# Altium PCB Room_Hub 20221215.PcbDoc (part 1 of 3) (continued)
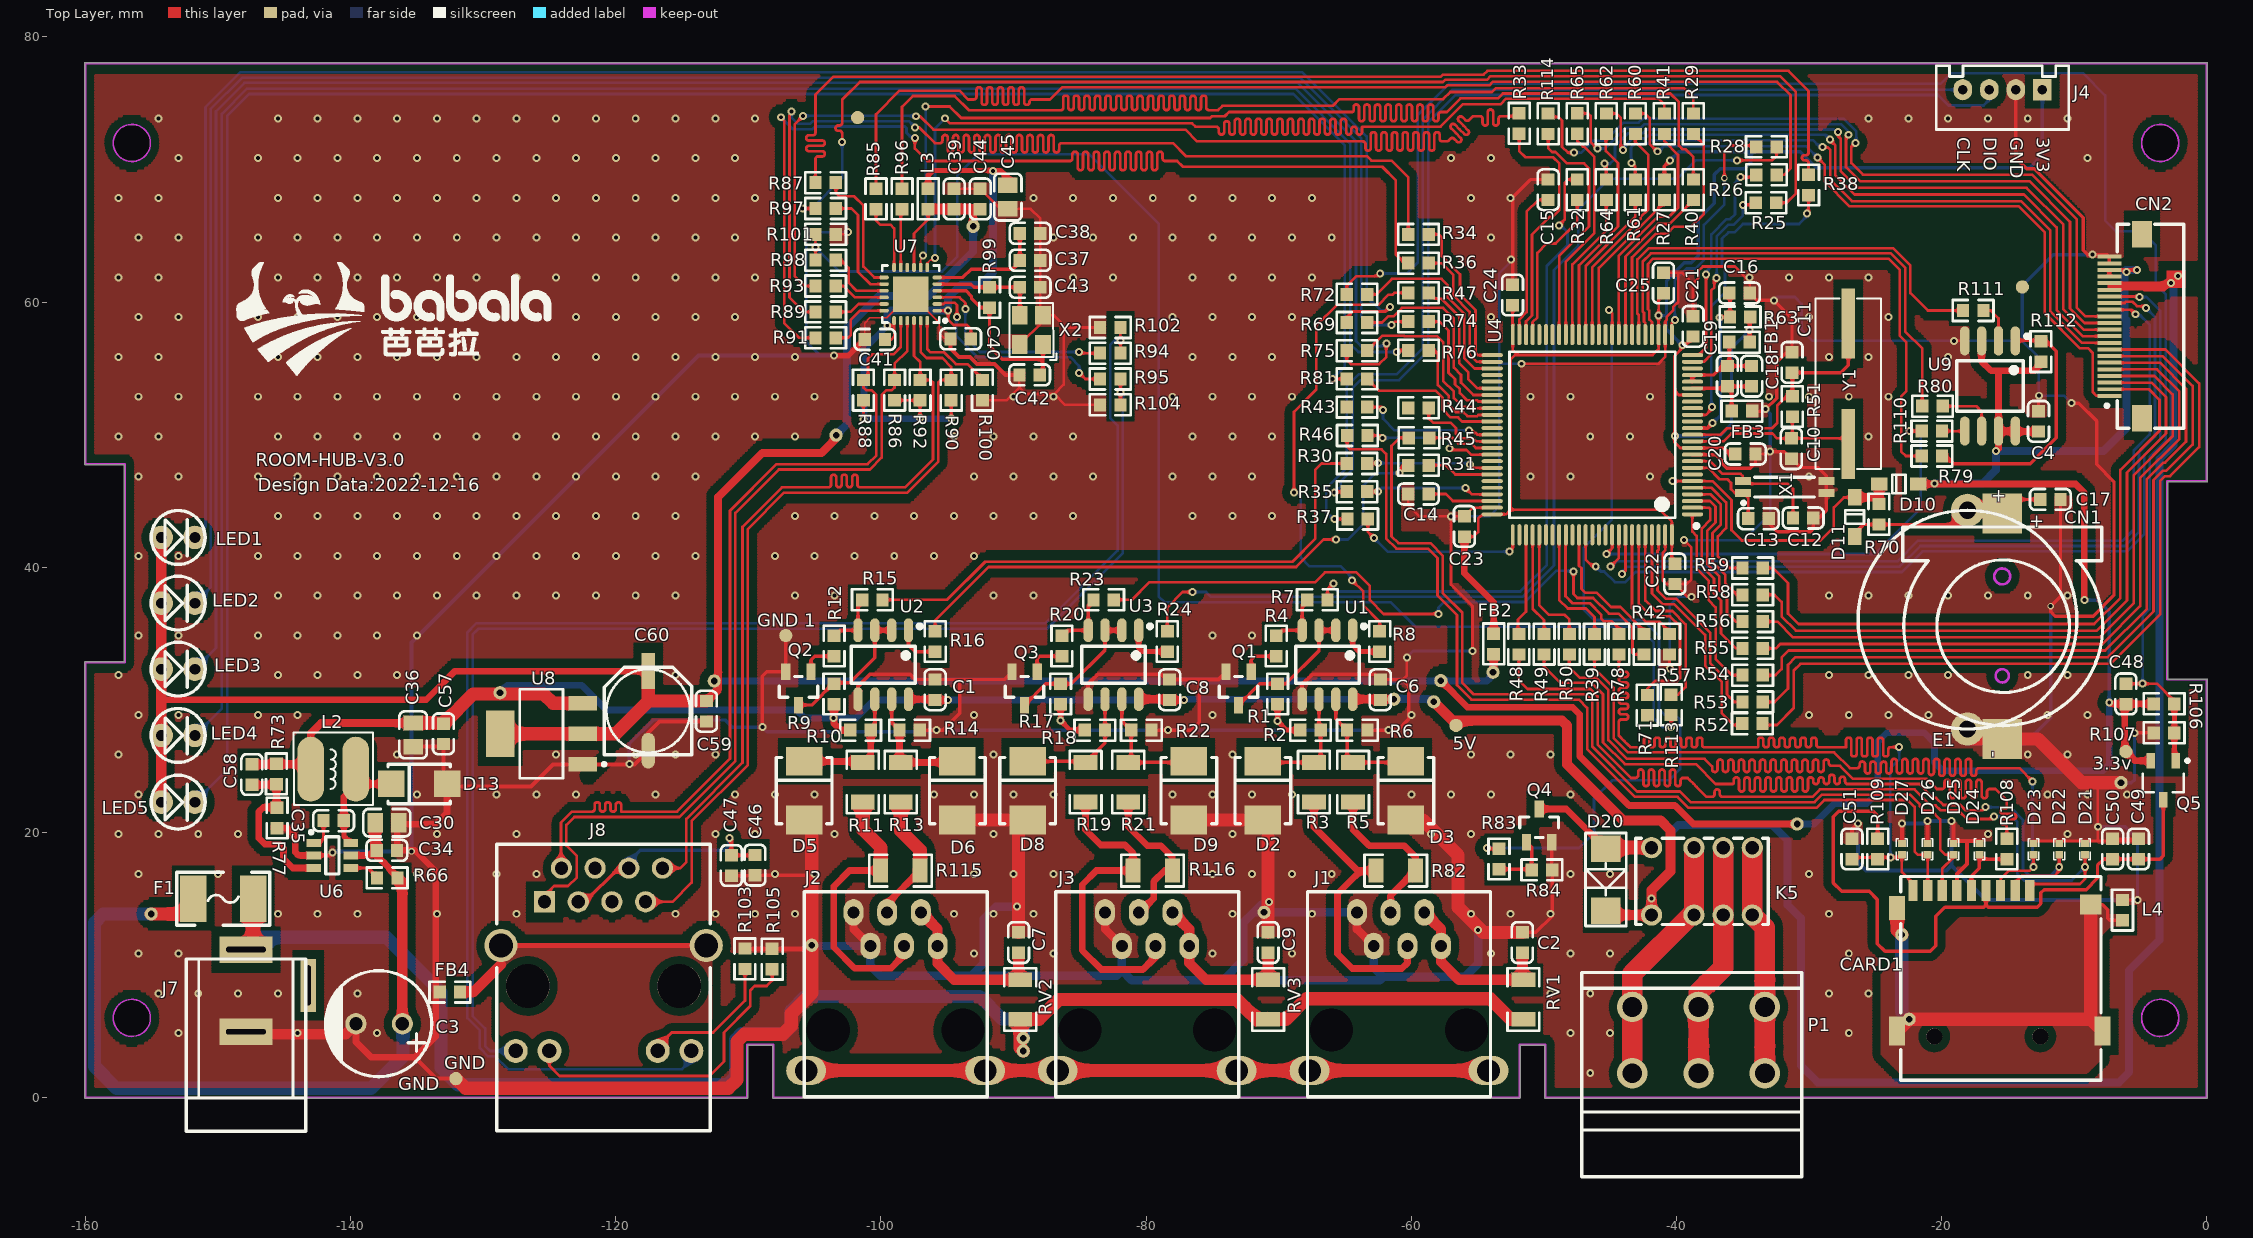
[diagram p0: Top Layer view]
## Footprints (in the part's own frame and the unit in brackets; to place one, negate y for a bottom-side part, rotate by r counter-clockwise, add the part's x,y. Pads: shape width x height; smd on the part's side, far side on the other; paste and mask are expansions set on the pad) (continued)
BATS [mm]
  rect 3x3 smd: 1(0,0) 2(0,-16.995)
  Keep-Out Layer circle w0.203: c0.004,-4.736 r0.6
  Keep-Out Layer circle w0.203: c0.004,-12.236 r0.5
  silkscreen extent -7.49,-16 7.58,-1.01
"BBL LOGO" [mm]
  silkscreen extent -10.86,-4.28 12.9,4.26
CAP8*12 [mm]
  round 1.6 hole 1: 1(0,0) 2(3.5,0)
  silkscreen extent -2.21,-4 5.79,4
"CM D(6.3*7.7)" [mm] "贴片电解电容，直径6.3mm，高7.7mm"
  rect 2.7x1 smd: 1(3,0)
  oval 2.7x1 smd: 2(-3,0)
  silkscreen extent -3.3,-3.3 3.3,3.3, body extent -3.5,-3.3 3.5,3.3, height 7.7
CON4-2.0 [mm]
  rect 1.4x1.6 hole 0.7: 1(0,0)
  oval 1.4x1.6 hole 0.7: 2(2,0) 3(4,0) 4(6,0)
  silkscreen extent -2,-1.8 8,3
CON-KF-22R-3P [mm]
  round 2.3 hole 1.5: 1(0,0) 1(0,5) 2(5,0) 2(5,5) 3(10,0) 3(10,5)
  silkscreen extent -3.8,-7.8 12.8,7.6
DFN1006-2L [mm]
  rect 0.55x0.6 smd mask+0.051: 1(-0.425,0) 2(0.425,0)
  silkscreen extent -0.8,-0.4 0.8,0.4
FPC-SMD_KH-FG0.5-H2.0-22PIN [mm]
  rect 0.3x1.8 smd: 1(5.25,-1.225) 2(4.75,-1.225) 3(4.25,-1.225) 4(3.75,-1.225) 5(3.25,-1.225) 6(2.75,-1.225) 7(2.25,-1.225) 8(1.75,-1.225) 9(1.25,-1.225) 10(0.75,-1.225) 11(0.25,-1.225) 12(-0.25,-1.225) 13(-0.75,-1.225) 14(-1.25,-1.225) 15(-1.75,-1.225) 16(-2.25,-1.225) 17(-2.75,-1.225) 18(-3.25,-1.225) 19(-3.75,-1.225) 20(-4.25,-1.225) 21(-4.75,-1.225) 22(-5.25,-1.225)
  rect 2x1.5 smd: 23(-6.95,1.225) 24(6.95,1.225)
  silkscreen extent -7.7,-1.54 7.7,4.38
"FU 1812" [mm] "贴片保险丝"
  rect 2x3.5 smd: 1(-2.25,0) 2(2.25,0)
  silkscreen extent -3.5,-2 3.5,2, body extent -2.3,-1.61 2.3,1.61, height 0.87
HC-49SMD [mm]
  rect 5.274x1.02 smd: 1(0,0) 2(-9.106,0)
  silkscreen extent -10.98,-2.48 1.87,2.48
L-SPD [mm]
  oval 2x4.9 smd: 1(0,0) 2(3.4,0)
  silkscreen extent -1.29,-2.71 4.69,2.75
LED-3F [mil]
  round 70 hole 31.5: A(0,0) K(100,0)
  silkscreen extent -30,-80 130,80
LQFP-100_L14.0-W14.0-P0.50-LS16.0-BL [mm]
  oval 0.3x1.6 smd: 1(0,0) 2(0.5,0) 3(1,0) 4(1.5,0) 5(2,0) 6(2.5,0) 7(3,0) 8(3.5,0) 9(4,0) 10(4.5,0) 11(5,0) 12(5.5,0) 13(6,0) 14(6.5,0) 15(7,0) 16(7.5,0) 17(8,0) 18(8.5,0) 19(9,0) 20(9.5,0) 21(10,0) 22(10.5,0) 23(11,0) 24(11.5,0) 25(12,0) 51(12,15.1) 52(11.5,15.1) 53(11,15.1) 54(10.5,15.1) 55(10,15.1) 56(9.5,15.1) 57(9,15.1) 58(8.5,15.1) 59(8,15.1) 60(7.5,15.1) 61(7,15.1) 62(6.5,15.1) 63(6,15.1) 64(5.5,15.1) 65(5,15.1) 66(4.5,15.1) 67(4,15.1) 68(3.5,15.1) 69(3,15.1) 70(2.5,15.1) 71(2,15.1) 72(1.5,15.1) 73(1,15.1) 74(0.5,15.1) 75(0,15.1)
  oval 1.6x0.3 smd: 26(13.55,1.55) 27(13.55,2.05) 28(13.55,2.55) 29(13.55,3.05) 30(13.55,3.55) 31(13.55,4.05) 32(13.55,4.55) 33(13.55,5.05) 34(13.55,5.55) 35(13.55,6.05) 36(13.55,6.55) 37(13.55,7.05) 38(13.55,7.55) 39(13.55,8.05) 40(13.55,8.55) 41(13.55,9.05) 42(13.55,9.55) 43(13.55,10.05) 44(13.55,10.55) 45(13.55,11.05) 46(13.55,11.55) 47(13.55,12.05) 48(13.55,12.55) 49(13.55,13.05) 50(13.55,13.55) 76(-1.55,13.55) 77(-1.55,13.05) 78(-1.55,12.55) 79(-1.55,12.05) 80(-1.55,11.55) 81(-1.55,11.05) 82(-1.55,10.55) 83(-1.55,10.05) 84(-1.55,9.55) 85(-1.55,9.05) 86(-1.55,8.55) 87(-1.55,8.05) 88(-1.55,7.55) 89(-1.55,7.05) 90(-1.55,6.55) 91(-1.55,6.05) 92(-1.55,5.55) 93(-1.55,5.05) 94(-1.55,4.55) 95(-1.55,4.05) 96(-1.55,3.55) 97(-1.55,3.05) 98(-1.55,2.55) 99(-1.55,2.05) 100(-1.55,1.55)
  silkscreen extent -1.03,-0.45 12.25,13.8
MC-146_4P [mm]
  rect 1.2x0.6 smd: 1(0,0) 2(6.3,0) 3(6.3,0.9) 4(0,0.9)
  silkscreen extent -0.08,-0.88 5.4,1.2
OSC-SMD_4P-L3.2-W2.5-BL [mm]
  rect 1.4x1.2 smd: 1(-1.1,-0.875) 2(1.1,-0.875) 3(1.1,0.875) 4(-1.1,0.875)
  silkscreen extent -2.29,-1.9 2.03,1.65
POWER [mm]
  rect 2x4 hole 0.4 slot 3 at 90 deg: 1(0,0) 2(-6.2,0)
  rect 4x1.2 hole 0.4 slot 3 at 0 deg: 3(-2.7,-4.7)
  silkscreen extent -13.7,-4.5 -0.72,4.5, body extent -13.7,-4.8 0.35,4.5, height 11.2
QFN-24_4x4x05P [mm]
  rect 2.68x2.68 smd mask+0.051: 0(0,0)
  oval 0.28x0.7 smd mask+0.051: 1(-1.25,-2) 2(-0.75,-2) 3(-0.25,-2) 4(0.25,-2) 5(0.75,-2) 6(1.25,-2) 13(1.25,2) 14(0.75,2) 15(0.25,2) 16(-0.25,2) 17(-0.75,2) 18(-1.25,2)
  oval 0.7x0.28 smd mask+0.051: 7(2,-1.25) 8(2,-0.75) 9(2,-0.25) 10(2,0.25) 11(2,0.75) 12(2,1.25) 19(-2,1.25) 20(-2,0.75) 21(-2,0.25) 22(-2,-0.25) 23(-2,-0.75) 24(-2,-1.25)
  silkscreen extent -2.15,-2.73 2.15,2.15
RELAY-TH_HFDXXX [mm]
  round 1.6 hole 1: 1(0,0) 2(3.2,0) 3(5.4,0) 4(7.6,0) 5(7.6,5.08) 6(5.4,5.08) 7(3.2,5.08) 8(0,5.08)
  silkscreen extent -1.19,-0.71 8.81,5.79
RJ12 [mm]
  round 0 hole 3.25: 0(1.67,3.05) 0(11.83,3.05)
  oval 1.5x2 hole 0.9: 1(3.575,11.94) 2(4.845,9.4) 3(6.115,11.94) 4(7.385,9.4) 5(8.655,11.94) 6(9.925,9.4)
  oval 3x2.2 hole 1.7: 7(0,0) 8(13.5,0)
  silkscreen extent -0.15,-1.97 13.65,13.48
RJ45-TH_HR911105A [mm]
  rect 1.6x1.6 hole 1: 1(0,0)
  round 1.6 hole 1: 2(1.27,2.54) 3(2.54,0) 4(3.81,2.54) 5(5.08,0) 6(6.35,2.54) 7(7.62,0) 8(8.89,2.54)
  round 1.8 hole 1.1: 9(-2.175,-11.25) 10(0.365,-11.25) 11(8.535,-11.25) 12(11.075,-11.25)
  round 2.5 hole 1.8: SH1(-3.295,-3.3) SH2(12.195,-3.3)
  round 3.3 hole 3.3 unplated: ""(-1.265,-6.35) ""(10.165,-6.35)
  silkscreen extent -3.6,-17.27 12.5,4.33
SMA(DO-214AC)_S1 [mm]
  rect 2x2 smd: 1(2.1,0) 2(-2.1,0)
  silkscreen extent -2.35,-1.5 2.35,1.5
SMB(DO-214AA)_S1 [mm]
  rect 2.159x2.743 smd: 1(2.21,0) 2(-2.21,0)
  silkscreen extent -2.5,-2.1 2.5,2.1
SO-0.4 [mm]
  rect 2x2.2 smd: A(2.349,0) K(-2.349,0)
  silkscreen extent -3.49,-1.55 3.52,1.52
SOD-123 [mm]
  rect 1.25x1 smd: 1(1.475,0) 2(-1.475,0)
  silkscreen extent -0.5,-0.7 0.5,0.7, body extent -1.85,-0.77 1.85,0.78, height 1.35
SOIC-8_150mil [mm]
  oval 0.7x1.8 smd: 1(-1.905,-2.6) 2(-0.635,-2.6) 3(0.635,-2.6) 4(1.905,-2.6) 5(1.905,2.6) 6(0.635,2.6) 7(-0.635,2.6) 8(-1.905,2.6)
  silkscreen extent -2.9,-3.05 2.4,1.4
SOIC-8_208mil [mm]
  oval 0.7x2.2 smd: 1(-1.905,-3.4) 2(-0.635,-3.4) 3(0.635,-3.4) 4(1.905,-3.4) 5(1.905,3.4) 6(0.635,3.4) 7(-0.635,3.4) 8(-1.905,3.4)
  silkscreen extent -2.95,-3.9 2.5,1.9
SOT-23(SOT-23-3) [mm]
  rect 1.25x0.7 smd: 1(1.25,-0.95) 2(1.25,0.95) 3(-1.25,0)
  silkscreen extent -0.65,-1.46 0.9,1.46, body extent -1.5,-1.5 1.5,1.5, height 1.3
SOT-23-3L [mm] "http://www.aosmd.com/res/packaging_information/SOT-23-3L.pdf"
  rect 1.15x0.65 smd: 1(1.475,-0.95) 2(1.475,0.95) 3(-1.475,0)
  silkscreen extent -0.9,-1.95 1.6,1.55, body extent -0.9,-1.55 0.9,1.55, height 1.25
SOT-23-6 [mm]
  rect 1.1x0.6 smd: 1(1.4,-0.95) 2(1.4,0) 3(1.4,0.95) 4(-1.4,0.95) 5(-1.4,0) 6(-1.4,-0.95)
  silkscreen extent -0.5,-1.87 1.72,1.4
TF-SMD_THD2528-11SD-GF [mm]
  rect 0.7x1.6 smd: 1(0,0) 2(-1.1,0) 3(-2.2,0) 4(-3.3,0) 5(-4.4,0) 6(-5.5,0) 7(-6.6,0) 8(-7.7,0) 9(-8.8,0)
  rect 1.2x1.8 smd: 10(-10,-1.3)
  rect 1.2x2.2 smd: 11(-10,-10.6) 12(5.5,-10.6)
  rect 1.6x1.5 smd: 13(4.6,-1.05)
  round 1.2 hole 1.2 unplated: ""(-7.2,-11) ""(0.8,-11)
  silkscreen extent -9.74,-14.3 5.37,1.06
TOP_MARK [mm]
  round 1 smd: 0(0,0)
TP_1MM_SMD [mm]
  round 1 smd paste-1: 1(0,0)

## Part data
3.3v 5V GND "GND 1": library part CON1759, "Test Point"
C1 C2 C4 C6 C7 C8 C9 C10 C11 C12 C13 C14 C15 C16 C17 C18 C19 C20 C21 C22 C23 C24 C25 C35 C46 C47 C48 C49 C50 C51: library part CAP, "Capacitor"
C3 C60: library part C-CAP, "直插电解电容"
C30: library part CAP, "10uf/35V"
C34 C57 C59: library part CAP, "0.1uf/50V"
C36: library part CAP, "22UF/50v"
C37 C38 C39 C40 C41 C44: library part "0603 100nF (104) 10% 50V", "贴片电容"
C42 C43: library part "0603 22pF (220) 5% 50V", "贴片电容"
C45: library part "0805 10uF (106) 10% 25V", "贴片电容"
C58: library part CAP
D2 D3 D5 D6 D8 D9: library part "SMB/DO-214AA P6SMB6.8CA", "TVS"
D10 D11: library part "SOD-123 B5819W  SL", "肖特基二极管"
D13: library part "SMA(DO-214AC) SS54", "二极管"
D20: library part ZENER3, "Zener Diode"
D21 D22 D23 D24 D25 D26 D27: library part PGB1010603NR
E1: library part "超级电容0.68F/5.5V P=16.5 H=4.5"
F1 RV1 RV2 RV3: library part "Fuse 1", "Fuse"
FB1 FB2 FB3: library part "0603 3.9nH 0.3nH", "贴片电感"
FB4 R89 R91 R93 R96 R97: library part "0603 10Ω (10R0) 1%", "贴片电阻"
J4: "Header, 4-Pin"
J7: "Connector"
L2: library part L
L4: library part SCBM160808U600T
LED1 LED2 LED3 LED4 LED5: library part "0805 翠绿", "发光二极管"
P1: "Header, 3-Pin"
Q1 Q2 Q3 Q4: library part "SOT-23 SS8050 Y1", "三极管"
R1 R2 R3 R4 R5 R6 R7 R8 R9 R10 R11 R12 R13 R14 R15 R16 R17 R18 R19 R20 R21 R22 R23 R24 R25 R26 R27 R28 R29 R30 R31 R32 R33 R34 R35 R36 R37 R38 R39 R40 R41 R42 R43 R44 R45 R46 R47 R48 R49 R50 R51 R52 R53 R54 R55 R56 R57 R58 R59 R60 R61 R62 R63 R64 R65 R66 R69 R70 R71 R72 R73 R74 R75 R76 R77 R78 R79 R80 R81 R82 R83 R84 R102 R103 R104 R105 R106 R107 R108 R109 R110 R111 R112 R113 R114 R115 R116: library part 电阻
R85 R87 R94 R95: library part "0603 510Ω (5100) 1%", "贴片电阻"
R86 R88 R90 R92: library part "0603 49.9Ω (49R9) 1%", "贴片电阻"
R98: library part "0603 33Ω (33R0) 1%", "贴片电阻"
R99: library part "0603 1MΩ (1004) 1%", "贴片电阻"
R100: library part "0603 12KΩ (1202) 1%", "贴片电阻"
R101: library part "0603 10KΩ (1002) 1%", "贴片电阻"
U6: library part PT4101, "带OVP 的白光LED 驱动用升压DC/DC 转换器"
Y1: library part "SMD-5032_2P 8MHz 20ppm 20pF", "贴片晶振"

## Free pads (board coordinates)
  round 1 hole 0.5: 0(-155.042,13.843) 0(-89.256,4.47) 0(-58.293,29.845) 1(-103.378,49.962) 1(-89.256,3.505) 1(-61.3,30.042) 2(-93.04,65.71) 2(-71.095,13.967) 2(-22.987,12.268) 3(-112.573,31.42) 3(-105.207,11.481) 3(-22.438,5.905) 4(-53.823,32.08) 5(-57.76,31.445) 6(-30.886,20.625) 7(-128.727,30.531) 8(-6.452,23.749)
  round 0.6 hole 0.3: 9(-2.154,61.976)

## Via types
v1: diameter 0.6, hole 0.3, Top Layer to Bottom Layer, 598 vias
v2: diameter 0.5, hole 0.3, Top Layer to Bottom Layer, 3 vias

## Nets (pads, with @x,y where several pads share a name; then routed paths per layer and width w, separated by ;. In a path a pad name is that pad's centre, name@x,y a point inside that pad or via, vN(x,y) a via of type N, cw(c..) or ccw(c..) an arc to the next point about the centre after c; other vN are vias at no path point)
485A_LINE1: D2.2 R2.2 R3.2 U1.6 | length 8.9
  Top Layer w0.254: D2.2@-71.191,25.352 -71.115,25.276 R3.2@-67.331,25.276 -66.823,25.784 R2.2@-66.823,27.708 -66.95,27.835 U1.6@-66.95,30.042
485A_SATA: D8.2 R18.2 R19.2 U3.6 | length 9.8
  Top Layer w0.254: D8.2@-88.931,25.352 -84.638,25.352 R19.2@-84.562,25.276 -83.089,26.749 R18.2@-83.089,27.708 U3.6@-83.089,30.042
485A_SENS: D5.2 R10.2 R11.2 U2.6 | length 9.6
  Top Layer w0.254: R10.2@-100.759,27.708 -100.454,28.013 U2.6@-100.454,30.042
  Top Layer w0.508: D5.2@-105.788,25.352 -101.445,25.352 R11.2@-101.369,25.276 -100.759,25.885 R10.2@-100.759,27.708
485B_LINE1: D3.2 R5.2 R6.2 U1.7 | length 9.3
  Top Layer w0.254: U1.7@-65.68,30.042 -65.68,28.556 R6.2@-64.832,27.708 -64.832,25.724 R5.2@-64.384,25.276 -60.473,25.276 D3.2@-60.396,25.352
485B_SATA: D9.2 R21.2 R22.2 U3.7 | length 9.7
  Top Layer w0.254: U3.7@-81.819,30.042 -81.819,28.403 R22.2@-81.124,27.708 -81.124,25.488 R21.2@-81.336,25.276 -76.84,25.276 D9.2@-76.764,25.352
485B_SENS: D6.2 R13.2 R14.2 U2.7 | length 9.3
  Top Layer w0.254: U2.7@-99.184,30.042 -99.184,28.294 R14.2@-98.599,27.708
  Top Layer w0.508: R14.2@-98.599,27.708 -98.599,25.376 R13.2@-98.499,25.276 -94.308,25.276 D6.2@-94.231,25.352
AGND: C18.2 C19.2 FB3.2 U4.20 | length 6.5
  Top Layer w0.254: U4.20@-38.786,53.493 C19.2@-36.144,53.493 ; FB3.2@-35.822,51.765 -35.822,53.315 C19.2@-36.144,53.637 C18.2@-34.315,53.637
BLE_NRST: R71.2
BOOT0: R57.1 U4.94 | length 9.3
  Top Layer w0.2: U4.94@-43.336,42.443 -43.336,36.91 -42.316,35.89 -41.275,35.89 -40.51,35.125 R57.1@-40.51,34.961
BOOT1: R27.1 U4.37 | length 12.2
  Top Layer w0.2: U4.37@-45.836,57.543 -45.836,62.569 -40.902,67.503 R27.1@-40.902,67.703
CTL_SD0_P: C48.2 Q5.1 R72.2 R106.1 R107.2 | length 128.6
  Top Layer w0.2: R72.2@-64.857,60.582 -64.857,61.229 -64.135,61.951 -62.535,61.951 v1(-62.332,62.154) ; C48.2@-6.086,31.213 v1(-4.826,31.213) -3.756,31.213 -2.627,30.084 -2.627,29.682 R106.1@-2.435,29.489
  Top Layer w0.381: R106.1@-2.435,29.489 -2.435,25.522 Q5.1@-2.314,25.4
  Bottom Layer w0.2: v1(-62.332,62.154) -60.325,62.154 -59.514,62.965 -59.514,74.09 -57.15,76.454 -20.066,76.454 -19.253,77.267 -9.322,77.267 -7.645,75.59 -7.645,66.142 -6.833,65.329 -4.877,65.329 -3.835,64.287 -3.835,61.341 -3.089,60.595 -3.089,49.514 -4.293,48.311 -4.293,36.83 -4.826,36.297 v1(-4.826,31.213)
DC5V: 5V.1 C1.2 C6.2 C8.2 C36.1 C57.1 C58.2 CN2.17 CN2.18 D20.K K5.1 L2.1 pad.0@-58.293,29.845 pad.1@-61.3,30.042 pad.7 pad.9 R1.2 R2.1 R9.2 R10.1 R17.2 R18.1 R73.2 U1.8 U2.8 U3.8 U8.3 | length 293.4
  Top Layer w0.254: -2.733,61.906 -3.216,61.423 ; -7.331,61.169 -2.937,61.169 ; -7.331,61.169 CN2.17@-7.331,60.923 -7.251,61.003 -4.795,61.003 -4.715,60.923 -3.183,60.923 -2.937,61.169 ; -7.331,61.169 CN2.18@-7.331,61.423 -3.216,61.423 ; -3.216,61.423 v1(-2.683,61.423) -2.937,61.169
  Top Layer w0.381: R17.2@-86.442,29.664 v1(-86.442,28.445) -85.705,27.708 R18.1@-84.629,27.708 ; R1.2@-70.074,29.664 v1(-70.074,28.394) -69.388,27.708 R2.1@-68.363,27.708
  Top Layer w0.508: R9.2@-103.536,29.664 -103.536,28.216 -103.028,27.708 R10.1@-102.299,27.708 ; U2.8@-97.914,30.042 -95.965,30.042 C1.2@-95.908,29.984 -95.902,29.978 v1(-94.935,29.978) ; C8.2@-78.212,29.984 v1(-77.128,29.984) ; C6.2@-62.384,30.042 pad.1@-61.3,30.042
  Top Layer w0.6: C58.2@-147.447,25.129 -143.366,25.129 L2.1@-143.002,24.765 -143.002,27.457 -142.214,28.246 C36.1@-135.28,28.246
  Top Layer w0.635: U3.8@-80.549,30.042 -78.27,30.042 C8.2@-78.212,29.984 ; U1.8@-64.41,30.042 -62.384,30.042 C6.2@-62.327,29.984
  Top Layer w0.762: pad.0@-58.293,29.845 -56.871,28.423 -48.616,28.423 -48.235,28.042 -48.235,25.121 -44.018,20.904 -41.199,20.904 -40.437,20.142 -40.437,17.069 -41.865,15.641 v1(-41.865,15.017) K5.1@-41.865,13.763 -45.002,13.763 D20.K@-45.319,14.081
  Top Layer w1: C36.1@-135.28,28.246 -132.951,28.246 -130.767,30.429 -125.425,30.429 -124.728,29.732 U8.3@-122.503,29.732
  Bottom Layer w0.381: v1(-86.442,28.445) -86.442,29.928 ; v1(-70.074,28.394) -70.074,29.97
  Bottom Layer w0.508: pad.7@-128.727,30.531 -128.168,31.09 -122.555,31.09 -120.701,29.235 -106.35,29.235 -105.74,28.626 v1(-103.556,28.626) -101.854,28.626 -100.502,29.978 v1(-94.935,29.978) ; v1@-94.929,29.984 v1(-77.128,29.984) ; v1@-77.07,30.042 pad.1@-61.3,30.042
  Bottom Layer w0.6: pad.1@-61.3,30.042 -61.268,30.074 -58.725,30.074 -58.496,29.845 pad.0@-58.293,29.845 ; K5.1@-41.865,13.763 v1(-41.865,15.017) -41.865,15.641 -40.488,17.018 -40.488,19.914 -39.853,20.549 -32.766,20.549 -31.598,19.38 -31.598,14.529 -30.607,13.538 -30.607,2.413 -29.337,1.143 -6.604,1.143 -5.842,1.905 -5.842,9.594 -3.563,11.872 -3.563,48.151 -2.489,49.225 -2.489,61.23 v1(-2.683,61.423)
DC24V: F1.1 J7.1 pad.0@-89.256,4.47 pad.1@-89.256,3.505 RV1.1 RV2.1 RV3.1 | length 120.9
  Top Layer w1: J7.1@-147.894,11.159 -147.356,11.697 F1.1@-147.356,14.986 ; pad.1@-89.256,3.505 -89.484,3.734 RV2.1@-89.484,5.901 -88.079,5.901 -86.589,7.391 -73.152,7.391 -71.662,5.901 RV3.1@-70.79,5.901 -69.435,5.901 -67.894,7.442 -54.026,7.442 -52.485,5.901 RV1.1@-51.537,5.901
  Bottom Layer w1: J7.1@-147.894,11.159 -146.963,12.09 -137.312,12.09 -133.172,7.95 -133.172,2.235 -131.902,0.965 -111.582,0.965 -110.947,1.6 -110.947,4.369 -110.515,4.801 -107.315,4.801 -106.756,5.359 -106.756,6.553 -105.689,7.62 -92.558,7.62 -90.856,5.918 -89.713,5.918 -89.256,5.461 pad.0@-89.256,4.496
DC_IN: C3.1 C30.1 C34.1 F1.2 pad.0@-155.042,13.843 R66.1 U6.5 | length 63.8
  Top Layer w0.5: U6.5@-139.976,18.263 -138.413,18.263 C34.1@-138.032,18.644 -138.032,18.254 -137.118,17.34 -137.091,17.34 -137.091,17.262 R66.1@-136.466,16.637
  Top Layer w0.8: C30.1@-138.152,20.726 -138.152,18.764 C34.1@-138.032,18.644 ; R66.1@-136.466,16.637 -136.093,16.264 C3.1@-136.093,5.563
  Top Layer w1: pad.0@-155.042,13.843 F1.2@-152.341,13.843
  Bottom Layer w0.508: C3.1@-136.093,5.563 C3.1@-136.042,5.613
  Bottom Layer w1: pad.0@-155.042,13.843 -158.648,13.843 -159.309,13.182 -159.309,2.337 -157.663,0.691 -138.451,0.691 -136.042,3.099 C3.1@-136.042,5.613
EARTH_ETH: FB4.2 J8.SH1 J8.SH2 | length 19.3
  Top Layer w0.381: J8.SH1@-128.66,11.461 J8.SH2@-113.17,11.461
  Top Layer w0.8: FB4.2@-131.64,7.976 -130.708,7.976 -128.66,10.024
ETH_CRS_DV: R29.1 R96.1 | length 94.9
  Top Layer w0.2: R96.1@-98.401,68.549 -98.401,74.727 -97.588,75.54 -94.437,75.54 -93.37,74.473 -86.411,74.473 ccw(c-86.411,74.63) -86.254,74.63 -86.254,75.373 cw(c-86.054,75.373) -86.054,75.573 cw(c-86.054,75.373) -85.854,75.373 -85.854,74.673 ccw(c-85.654,74.673) -85.654,74.473 ccw(c-85.654,74.673) -85.454,74.673 -85.454,75.373 cw(c-85.254,75.373) -85.254,75.573 cw(c-85.254,75.373) -85.054,75.373 -85.054,74.673 ccw(c-84.854,74.673) -84.854,74.473 ccw(c-84.854,74.673) -84.654,74.673 -84.654,75.373 cw(c-84.454,75.373) -84.454,75.573 cw(c-84.454,75.373) -84.254,75.373 -84.254,74.673 ccw(c-84.054,74.673) -84.054,74.473 ccw(c-84.054,74.673) -83.854,74.673 -83.854,75.373 cw(c-83.654,75.373) -83.654,75.573 cw(c-83.654,75.373) -83.454,75.373 -83.454,74.673 ccw(c-83.254,74.673) -83.254,74.473 ccw(c-83.254,74.673) -83.054,74.673 -83.054,75.373 cw(c-82.854,75.373) -82.854,75.573 cw(c-82.854,75.373) -82.654,75.373 -82.654,74.673 ccw(c-82.454,74.673) -82.454,74.473 ccw(c-82.454,74.673) -82.254,74.673 -82.254,75.373 cw(c-82.054,75.373) -82.054,75.573 cw(c-82.054,75.373) -81.854,75.373 -81.854,74.673 ccw(c-81.654,74.673) -81.654,74.473 ccw(c-81.654,74.673) -81.454,74.673 -81.454,75.373 cw(c-81.254,75.373) -81.254,75.573 cw(c-81.254,75.373) -81.054,75.373 -81.054,74.673 ccw(c-80.854,74.673) -80.854,74.473 ccw(c-80.854,74.673) -80.654,74.673 -80.654,75.373 cw(c-80.454,75.373) -80.454,75.573 cw(c-80.454,75.373) -80.254,75.373 -80.254,74.673 ccw(c-80.054,74.673) -80.054,74.473 ccw(c-80.054,74.673) -79.854,74.673 -79.854,75.373 cw(c-79.654,75.373) -79.654,75.573 cw(c-79.654,75.373) -79.454,75.373 -79.454,74.673 ccw(c-79.254,74.673) -79.254,74.473 ccw(c-79.254,74.673) -79.054,74.673 -79.054,75.373 cw(c-78.854,75.373) -78.854,75.573 cw(c-78.854,75.373) -78.654,75.373 -78.654,74.673 ccw(c-78.454,74.673) -78.454,74.473 ccw(c-78.454,74.673) -78.254,74.673 -78.254,75.373 cw(c-78.054,75.373) -78.054,75.573 cw(c-78.054,75.373) -77.854,75.373 -77.854,74.673 ccw(c-77.654,74.673) -77.654,74.473 ccw(c-77.654,74.673) -77.454,74.673 -77.454,75.373 cw(c-77.254,75.373) -77.254,75.573 cw(c-77.254,75.373) -77.054,75.373 -77.054,74.673 ccw(c-76.854,74.673) -76.854,74.473 ccw(c-76.854,74.673) -76.654,74.673 -76.654,75.373 cw(c-76.454,75.373) -76.454,75.573 cw(c-76.454,75.373) -76.254,75.373 -76.254,74.673 ccw(c-76.054,74.673) -76.054,74.473 ccw(c-76.054,74.673) -75.854,74.673 -75.854,75.373 cw(c-75.654,75.373) -75.654,75.573 cw(c-75.654,75.373) -75.454,75.373 -75.454,74.673 ccw(c-75.254,74.673) -75.254,74.473 -75.054,74.473 -74.854,74.473 -74.574,74.473 -74.244,74.803 -65.913,74.803 -65.411,75.305 -57.588,75.305 -57.048,75.844 -53.899,75.844 -53.607,76.136 -39.411,76.136 -38.712,75.438 R29.1@-38.712,74.221
ETH_MDC: R38.1 R87.1 | length 94.7
  Top Layer w0.2: R87.1@-104.933,69.008 -104.933,69.85 -104.933,70.05 -104.933,70.383 -104.933,70.583 -104.933,70.783 cw(c-104.733,70.783) -104.733,70.983 -104.433,70.983 ccw(c-104.433,71.183) -104.233,71.183 ccw(c-104.433,71.183) -104.433,71.383 -104.933,71.383 -105.433,71.383 cw(c-105.433,71.583) -105.633,71.583 cw(c-105.433,71.583) -105.433,71.783 -104.933,71.783 -104.433,71.783 ccw(c-104.433,71.983) -104.233,71.983 ccw(c-104.433,71.983) -104.433,72.183 -104.933,72.183 -105.433,72.183 cw(c-105.433,72.383) -105.633,72.383 cw(c-105.433,72.383) -105.433,72.583 -105.133,72.583 ccw(c-105.133,72.783) -104.933,72.783 -104.933,72.983 -104.933,73.355 -104.933,73.555 ; -104.933,73.508 -104.933,73.555 ; R38.1@-30.023,69.604 -30.023,70.485 ccw(c-30.223,70.485) -30.223,70.685 -30.323,70.685 cw(c-30.323,70.885) -30.523,70.885 cw(c-30.323,70.885) -30.323,71.085 -30.21,71.085 ccw(c-30.21,71.272) -30.023,71.272 -30.023,75.921 -31.54,77.438 -54.254,77.438 -54.534,77.159 -57.602,77.159 -57.761,77 -103.574,77 -104.933,75.641 -104.933,73.555
ETH_MDIO: R26.1 R85.1 | length 94.7
  Top Layer w0.2: R85.1@-100.367,68.549 -100.367,74.156 -98.577,75.946 -94.082,75.946 -93.42,75.284 -92.989,75.284 ccw(c-92.989,75.484) -92.789,75.484 -92.789,76 cw(c-92.589,76) -92.589,76.2 cw(c-92.589,76) -92.389,76 -92.389,75.284 -92.389,75.073 ccw(c-92.189,75.073) -92.189,74.873 ccw(c-92.189,75.073) -91.989,75.073 -91.989,75.284 -91.989,76 cw(c-91.789,76) -91.789,76.2 cw(c-91.789,76) -91.589,76 -91.589,75.284 -91.589,75.073 ccw(c-91.389,75.073) -91.389,74.873 ccw(c-91.389,75.073) -91.189,75.073 -91.189,75.284 -91.189,76 cw(c-90.989,76) -90.989,76.2 cw(c-90.989,76) -90.789,76 -90.789,75.284 -90.789,75.073 ccw(c-90.589,75.073) -90.589,74.873 ccw(c-90.589,75.073) -90.389,75.073 -90.389,75.284 -90.389,76 cw(c-90.189,76) -90.189,76.2 cw(c-90.189,76) -89.989,76 -89.989,75.284 -89.989,75.073 ccw(c-89.789,75.073) -89.789,74.873 ccw(c-89.789,75.073) -89.589,75.073 -89.589,75.284 -89.589,76 cw(c-89.389,76) -89.389,76.2 cw(c-89.389,76) -89.189,76 -89.189,75.284 -89.189,75.073 ccw(c-88.989,75.073) -88.989,74.873 ccw(c-88.989,75.073) -88.789,75.073 -88.789,75.084 cw(c-88.589,75.084) -88.589,75.284 -88.494,75.284 -87.245,75.284 -86.329,76.2 -57.429,76.2 -57.277,76.352 -54.104,76.352 -53.85,76.606 -32.391,76.606 -31.388,75.603 -31.388,70.085 -31.874,69.599 R26.1@-32.423,69.599
ETH_REF_CLK: R25.1 R97.1 | length 94
  Top Layer w0.2: v1(-105.893,67.056) -105.89,67.058 R97.1@-104.933,67.058 ; v1(-102.921,72.06) -102.921,72.72 ccw(c-103.121,72.72) -103.121,72.92 -103.221,72.92 cw(c-103.221,73.12) -103.421,73.12 cw(c-103.221,73.12) -103.221,73.32 -103.121,73.32 ccw(c-103.121,73.52) -102.921,73.52 -102.921,73.711 -102.921,75.26 -101.581,76.6 -57.595,76.6 -57.436,76.759 -54.28,76.759 -54,77.038 -32.182,77.038 -30.988,75.844 -30.988,68.174 -31.671,67.49 R25.1@-32.465,67.49
  Bottom Layer w0.2: v1(-105.893,67.056) -105.207,67.056 -102.921,69.342 v1(-102.921,72.06)
ETH_RESET: R98.1 R101.2 R113.2 | length 113.1
  Top Layer w0.127: R98.1@-104.933,63.158 R101.2@-104.933,65.108
  Top Layer w0.2: v1(-40.386,27.94) R113.2@-40.386,28.846
  Bottom Layer w0.2: v1(-104.927,64.11) -103.124,62.306 -95.377,62.306 -94.234,63.449 -94.234,69.571 -92.659,71.145 -84.277,71.145 -79.045,65.913 -79.045,37.795 -78.613,37.363 -61.544,37.363 -59.69,35.509 -42.875,35.509 -41.707,34.341 -41.707,28.626 -41.021,27.94 v1(-40.386,27.94)
ETH_RXD0: R40.1 U7.8 | length 94.2
  Top Layer w0.127: U7.8@-97.001,62.604 -97.001,63.221 -96.825,63.397 v1(-96.825,63.525)
  Top Layer w0.2: v1(-96.622,74.752) -94.805,74.752 -93.935,73.882 -75.162,73.882 -75.028,74.016 -74.06,74.016 -73.736,74.339 -64.465,74.339 ccw(c-64.465,74.47) -64.334,74.47 -64.334,74.705 cw(c-64.134,74.705) -64.134,74.905 cw(c-64.134,74.705) -63.934,74.705 -63.934,74.339 -63.934,73.839 ccw(c-63.734,73.839) -63.734,73.639 ccw(c-63.734,73.839) -63.534,73.839 -63.534,74.339 -63.534,74.705 cw(c-63.334,74.705) -63.334,74.905 cw(c-63.334,74.705) -63.134,74.705 -63.134,74.339 -63.134,73.839 ccw(c-62.934,73.839) -62.934,73.639 ccw(c-62.934,73.839) -62.734,73.839 -62.734,74.339 -62.734,74.705 cw(c-62.534,74.705) -62.534,74.905 cw(c-62.534,74.705) -62.334,74.705 -62.334,74.339 -62.334,73.839 ccw(c-62.134,73.839) -62.134,73.639 ccw(c-62.134,73.839) -61.934,73.839 -61.934,74.339 -61.934,74.705 cw(c-61.734,74.705) -61.734,74.905 cw(c-61.734,74.705) -61.534,74.705 -61.534,74.339 -61.534,73.839 ccw(c-61.334,73.839) -61.334,73.639 ccw(c-61.334,73.839) -61.134,73.839 -61.134,74.339 -61.134,74.705 cw(c-60.934,74.705) -60.934,74.905 cw(c-60.934,74.705) -60.734,74.705 -60.734,74.339 -60.734,73.839 ccw(c-60.534,73.839) -60.534,73.639 ccw(c-60.534,73.839) -60.334,73.839 -60.334,74.339 -60.334,74.705 cw(c-60.134,74.705) -60.134,74.905 cw(c-60.134,74.705) -59.934,74.705 -59.934,74.339 -59.934,73.839 ccw(c-59.734,73.839) -59.734,73.639 ccw(c-59.734,73.839) -59.534,73.839 -59.534,74.339 -59.534,74.705 cw(c-59.334,74.705) -59.334,74.905 cw(c-59.334,74.705) -59.134,74.705 -59.134,74.339 -59.134,73.839 ccw(c-58.934,73.839) -58.934,73.639 ccw(c-58.934,73.839) -58.734,73.839 -58.734,74.339 -58.734,74.705 cw(c-58.534,74.705) -58.534,74.905 cw(c-58.534,74.705) -58.334,74.705 -58.334,74.339 -58.334,73.839 ccw(c-58.134,73.839) -58.134,73.639 ccw(c-58.134,73.839) -57.934,73.839 -57.934,74.139 cw(c-57.734,74.139) -57.734,74.339 -57.309,74.339 -56.286,75.362 -53.456,75.362 -53.081,75.736 -40.456,75.736 -39.802,75.082 -39.802,71.806 -39.522,71.526 -39.294,71.526 -38.712,70.945 R40.1@-38.712,69.243
  Bottom Layer w0.2: v1@-96.622,63.525 v1(-96.622,74.752)
ETH_RXD1: R41.1 U7.7 | length 94.2
  Top Layer w0.127: U7.7@-96.501,62.604 -96.501,62.935 -96.266,63.17 -96.063,63.17 v1(-95.91,63.322)
  Top Layer w0.2: v1(-95.155,73.863) -94.774,73.482 -76.53,73.482 -76.276,73.228 -75.108,73.228 -74.908,73.228 -74.708,73.228 cw(c-74.708,73.028) -74.508,73.028 -74.508,72.828 ccw(c-74.308,72.828) -74.308,72.628 ccw(c-74.308,72.828) -74.108,72.828 -74.108,73.228 -74.108,73.435 cw(c-73.908,73.435) -73.908,73.635 cw(c-73.908,73.435) -73.708,73.435 -73.708,73.228 -73.708,72.828 ccw(c-73.508,72.828) -73.508,72.628 ccw(c-73.508,72.828) -73.308,72.828 -73.308,73.228 -73.308,73.628 cw(c-73.108,73.628) -73.108,73.828 cw(c-73.108,73.628) -72.908,73.628 -72.908,73.228 -72.908,72.828 ccw(c-72.708,72.828) -72.708,72.628 ccw(c-72.708,72.828) -72.508,72.828 -72.508,73.228 -72.508,73.628 cw(c-72.308,73.628) -72.308,73.828 cw(c-72.308,73.628) -72.108,73.628 -72.108,73.228 -72.108,72.828 ccw(c-71.908,72.828) -71.908,72.628 ccw(c-71.908,72.828) -71.708,72.828 -71.708,73.228 -71.708,73.628 cw(c-71.508,73.628) -71.508,73.828 cw(c-71.508,73.628) -71.308,73.628 -71.308,73.228 -71.308,72.828 ccw(c-71.108,72.828) -71.108,72.628 ccw(c-71.108,72.828) -70.908,72.828 -70.908,73.228 -70.908,73.628 cw(c-70.708,73.628) -70.708,73.828 cw(c-70.708,73.628) -70.508,73.628 -70.508,73.228 -70.508,72.828 ccw(c-70.308,72.828) -70.308,72.628 ccw(c-70.308,72.828) -70.108,72.828 -70.108,73.228 -70.108,73.628 cw(c-69.908,73.628) -69.908,73.828 cw(c-69.908,73.628) -69.708,73.628 -69.708,73.228 -69.708,72.828 ccw(c-69.508,72.828) -69.508,72.628 ccw(c-69.508,72.828) -69.308,72.828 -69.308,73.228 -69.308,73.628 cw(c-69.108,73.628) -69.108,73.828 cw(c-69.108,73.628) -68.908,73.628 -68.908,73.228 -68.908,72.828 ccw(c-68.708,72.828) -68.708,72.628 ccw(c-68.708,72.828) -68.508,72.828 -68.508,73.228 -68.508,73.628 cw(c-68.308,73.628) -68.308,73.828 cw(c-68.308,73.628) -68.108,73.628 -68.108,73.228 -68.108,72.828 ccw(c-67.908,72.828) -67.908,72.628 ccw(c-67.908,72.828) -67.708,72.828 -67.708,73.228 -67.708,73.628 cw(c-67.508,73.628) -67.508,73.828 cw(c-67.508,73.628) -67.308,73.628 -67.308,73.228 -67.308,72.828 ccw(c-67.108,72.828) -67.108,72.628 ccw(c-67.108,72.828) -66.908,72.828 -66.908,73.228 -66.908,73.628 cw(c-66.708,73.628) -66.708,73.828 cw(c-66.708,73.628) -66.508,73.628 -66.508,73.228 -66.508,72.828 ccw(c-66.308,72.828) -66.308,72.628 ccw(c-66.308,72.828) -66.108,72.828 -66.108,73.228 -66.108,73.628 cw(c-65.908,73.628) -65.908,73.828 cw(c-65.908,73.628) -65.708,73.628 -65.708,73.228 -65.708,72.828 ccw(c-65.508,72.828) -65.508,72.628 ccw(c-65.508,72.828) -65.308,72.828 -65.308,73.228 -65.308,73.628 cw(c-65.108,73.628) -65.108,73.828 cw(c-65.108,73.628) -64.908,73.628 -64.908,73.228 -64.908,72.828 ccw(c-64.708,72.828) -64.708,72.628 ccw(c-64.708,72.828) -64.508,72.828 -64.508,73.028 cw(c-64.308,73.028) -64.308,73.228 cw(c-64.308,73.028) -64.108,73.028 -64.108,72.828 ccw(c-63.908,72.828) -63.908,72.628 ccw(c-63.908,72.828) -63.708,72.828 -63.708,73.173 cw(c-63.652,73.173) -63.652,73.228 -57.785,73.228 -56.083,74.93 -53.238,74.93 -52.832,75.336 -41.355,75.336 -40.902,74.883 R41.1@-40.902,74.221
  Bottom Layer w0.2: v1(-95.91,63.322) -95.91,73.108 v1(-95.155,73.863)
ETH_TXD0: R34.2 R89.1 | length 94.5
  Top Layer w0.2: -106.893,74.108 -106.893,60.36 -105.79,59.257 R89.1@-104.933,59.257 ; v1(-97.409,73.177) -97.104,73.177 -95.91,71.984 -95.555,71.984 ccw(c-95.555,72.184) -95.355,72.184 -95.355,72.4 cw(c-95.155,72.4) -95.155,72.6 cw(c-95.155,72.4) -94.955,72.4 -94.955,71.984 -94.955,71.484 ccw(c-94.755,71.484) -94.755,71.284 ccw(c-94.755,71.484) -94.555,71.484 -94.555,71.984 -94.555,72.4 cw(c-94.355,72.4) -94.355,72.6 cw(c-94.355,72.4) -94.155,72.4 -94.155,71.984 -94.155,71.484 ccw(c-93.955,71.484) -93.955,71.284 ccw(c-93.955,71.484) -93.755,71.484 -93.755,71.984 -93.755,72.4 cw(c-93.555,72.4) -93.555,72.6 cw(c-93.555,72.4) -93.355,72.4 -93.355,71.984 -93.355,71.484 ccw(c-93.155,71.484) -93.155,71.284 ccw(c-93.155,71.484) -92.955,71.484 -92.955,71.984 -92.955,72.4 cw(c-92.755,72.4) -92.755,72.6 cw(c-92.755,72.4) -92.555,72.4 -92.555,71.984 -92.555,71.484 ccw(c-92.355,71.484) -92.355,71.284 ccw(c-92.355,71.484) -92.155,71.484 -92.155,71.984 -92.155,72.4 cw(c-91.955,72.4) -91.955,72.6 cw(c-91.955,72.4) -91.755,72.4 -91.755,71.984 -91.755,71.484 ccw(c-91.555,71.484) -91.555,71.284 ccw(c-91.555,71.484) -91.355,71.484 -91.355,71.984 -91.355,72.4 cw(c-91.155,72.4) -91.155,72.6 cw(c-91.155,72.4) -90.955,72.4 -90.955,71.984 -90.955,71.484 ccw(c-90.755,71.484) -90.755,71.284 ccw(c-90.755,71.484) -90.555,71.484 -90.555,71.984 -90.555,72.4 cw(c-90.355,72.4) -90.355,72.6 cw(c-90.355,72.4) -90.155,72.4 -90.155,71.984 -90.155,71.484 ccw(c-89.955,71.484) -89.955,71.284 ccw(c-89.955,71.484) -89.755,71.484 -89.755,71.984 -89.755,72.4 cw(c-89.555,72.4) -89.555,72.6 cw(c-89.555,72.4) -89.355,72.4 -89.355,71.984 -89.355,71.484 ccw(c-89.155,71.484) -89.155,71.284 ccw(c-89.155,71.484) -88.955,71.484 -88.955,71.984 -88.955,72.4 cw(c-88.755,72.4) -88.755,72.6 cw(c-88.755,72.4) -88.555,72.4 -88.555,71.984 -88.555,71.484 ccw(c-88.355,71.484) -88.355,71.284 ccw(c-88.355,71.484) -88.155,71.484 -88.155,71.984 -88.155,72.4 cw(c-87.955,72.4) -87.955,72.6 cw(c-87.955,72.4) -87.755,72.4 -87.755,71.984 -87.755,71.484 ccw(c-87.555,71.484) -87.555,71.284 ccw(c-87.555,71.484) -87.355,71.484 -87.355,71.984 -87.355,72.4 cw(c-87.155,72.4) -87.155,72.6 cw(c-87.155,72.4) -86.955,72.4 -86.955,71.984 -86.955,71.484 ccw(c-86.755,71.484) -86.755,71.284 ccw(c-86.755,71.484) -86.555,71.484 -86.555,71.784 cw(c-86.355,71.784) -86.355,71.984 -86.309,71.984 -77.978,71.984 -77.001,71.007 -63.336,71.007 -62.992,70.663 -61.468,70.663 -60.217,69.412 R34.2@-60.217,65.103
  Bottom Layer w0.2: v1(-106.731,74.371) -106.731,73.914 -106.258,73.441 -105.331,73.441 -105.131,73.641 -97.873,73.641 v1(-97.409,73.177)